# Altium PCB Wireframe.PcbDoc (part 2 of 2)
Units mil, origin at the board's own origin, x right, y up, seen from the top; angles counter-clockwise.
Board outline 1950 x 980 mil, 4 copper layers (Top Layer, power, GND, Bottom Layer), stack 65.6 mil thick; 103 components, 106 nets, 512 pads, 260 vias.
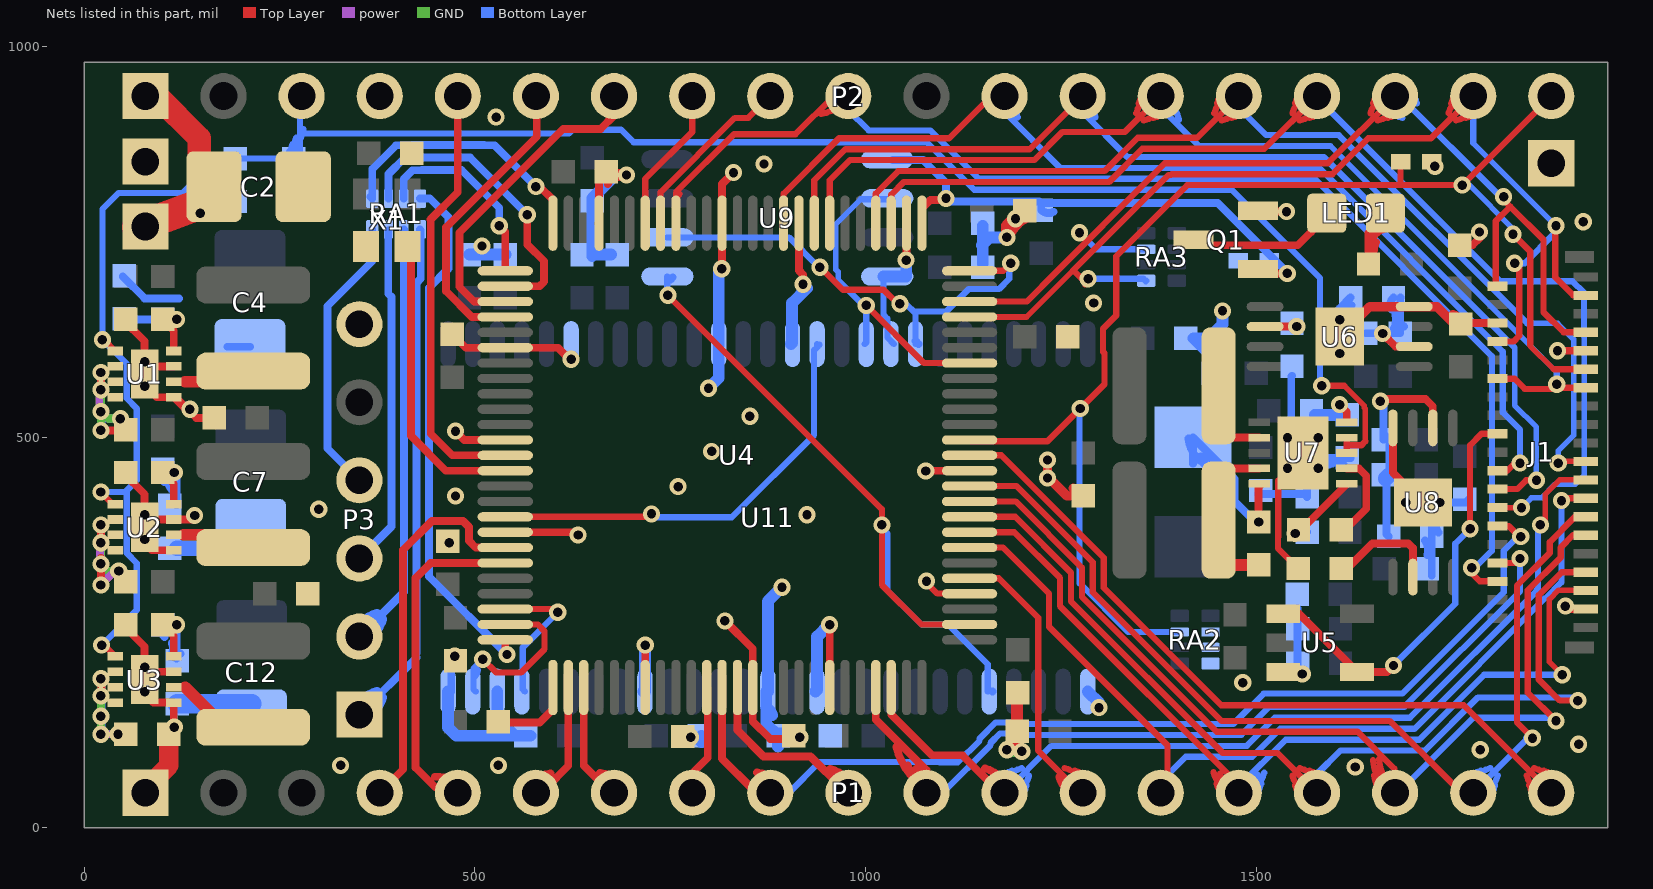
[diagram p4: the nets of this part, all layers, seen from the top]

## Via types
v1: diameter 22, hole 12, Top Layer to Bottom Layer, tented both sides, 246 vias
v2: diameter 22, hole 12, Top Layer to Bottom Layer, 14 vias

## Nets (pads, with @x,y where several pads share a name; then routed paths per layer and width w, separated by ;. In a path a pad name is that pad's centre, name@x,y a point inside that pad or via, vN(x,y) a via of type N, cw(c..) or ccw(c..) an arc to the next point about the centre after c; other vN are vias at no path point) (continued)
DDR_D14: U4.98 U11.51 | length 190.3
  Top Layer w8: U4.98@538.76,280.15 601.85,280.15 v1(606,276)
  Bottom Layer w8: U11.51@564.04,174.56 561,177.6 561,231 v1(606,276)
DDR_D15: U4.99 U11.53 | length 233.9
  Top Layer w8: v1(510,216) 527,199 559,199 589,229 589,252 580.54,260.46 U4.99@538.76,260.46
  Bottom Layer w8: U11.53@498.36,192.53 ccw(c489.82,203.7) 503.76,201.84 ; U11.53@501.05,174.56 498,177.61 498,204 v1(510,216)
DDR_W\E\: U4.92 U11.16 | length 561.3
  Top Layer w8: U4.92@538.76,398.26 724.86,398.26 v1@725.27,397.85
  Bottom Layer w8: v1@725.27,397.85 828.85,397.85 934,503 934,611.45 U11.16@937.99,615.44 ; U11.16@937.99,619.44 U11.16@937.99,615.44 ; U11.16@941,618.45 U11.16@937.99,615.44
  other v1: 726,402
DONE: Q1.1 R24.1 R26.1 U4.51 U9.1 | length 700
  Top Layer w10: U4.51@1072.22,774.24 1072.22,793.22 1083,804 1102,804 1103,805 v1(1103,806) ; Q1.1@1501.74,710 v1(1540,710)
  Bottom Layer w10: U9.1@1034.75,855 1074,855 1103,826 1103,803 1104,802 1222,802 1225,799 R24.1@1225,797 ; 1240.71,788.92 cw(c1234.21,800.17) R24.1@1225,791 R24.1@1225,797 ; v1(1540,710) 1540,711 1450.91,800.09 1228.09,800.09 R24.1@1225,797
EXT_CLK: P1.19 U4.38 | length 1106.2
  Top Layer w8: U4.38@1133.24,477 1173.8,477 1305,345.8 1305,307.4 1455.4,157 1766,157 P1.19@1878,45 ; 1846.57,67.04 ccw(c1884.6,77.24) P1.19@1876.7,38.66 ; 1849.92,54.54 ccw(c1881.7,63.05) P1.19@1875.1,30.82 ; 1855.96,76.43 cw(c1845.76,38.4) P1.19@1884.34,46.3 ; 1868.46,73.08 cw(c1859.95,41.3) P1.19@1892.18,47.9
FPGA_CLK: U4.89 X1.3 | length 388.2
  Top Layer w10: X1.3@418,750.96 418,502 462.68,457.31 U4.89@538.76,457.31
FPGA_TCK: RA1.2 U4.77 | length 394.9
  Top Layer w10: U4.77@538.76,693.54 582.54,693.54 588.46,699.46 588.46,725.54 567,747 v1(567,785)
  Bottom Layer w10: RA1.2@389.16,805.69 389.16,837.16 410,858 425.53,858 425.66,858.13 493.87,858.13 v1(567,785)
FPGA_TDI: RA1.4 U4.100 | length 678.1
  Top Layer w10: U4.100@538.76,240.78 538.76,224.24 v1(541,222)
  Bottom Layer w10: RA1.4@429.51,805.69 429.83,806 442,806 466.09,781.91 466.09,716.22 441,691.13 441,322 v1(541,222)
FPGA_TDO: RA1.3 U4.76 | length 255.9
  Top Layer w10: v1(531,771) 538.76,763.24 U4.76@538.76,713.22
  Bottom Layer w10: RA1.3@408.84,805.69 408.84,830.84 420,842 432.15,842 432.29,842.13 482.87,842.13 531,794 v1(531,771)
FPGA_TMS: RA1.1 U4.75 | length 344.2
  Top Layer w10: v1(578,821) 583,821 599.78,804.22 U4.75@599.78,774.24
  Bottom Layer w10: RA1.1@366,808.17 RA1.1@368.49,805.69 368.49,843.49 399,874 418.9,874 419.03,874.13 511.95,874.13 512.09,874 525,874 v1(578,821)
GND: C1.1 C2.2 C3.1 C4.2 C6.1 C7.2 C8.1 C11.1 C12.2 C13.1 C14.1 C16.1 C18.1 C20.2 C21.1 C22.1 C23.1 C24.1 C25.1 C26.1 C27.1 C28.1 C29.1 C30.1 C31.1 C33.1 C34.1 C35.1 C36.1 C37.1 C38.1 C39.1 C40.1 C41.1 C42.1 C43.1 C44.1 C45.1 C46.1 C47.1 C48.1 C49.1 C50.1 J1.3 J1.31 J1.34 P1.1 P2.4 P3.6 P5.1 P6.1 Q1.2 R3.2 R5.1 R8.1 R10.2 R12.1 R14.1 R17.2 R26.2 RA2.2 RA2.3 RA2.4 U1.1 U1.3 U1.9 U2.1 U2.3 U2.9 U3.1 U3.3 U3.9 U4.7 U4.14 U4.19 U4.29 U4.37 U4.52 U4.59 U4.64 U4.72 U4.81 U4.87 U4.93 U6.4 U6.9 U7.11 U8.4 U8.9 U9.4 U11.6 U11.12 U11.15 U11.19 U11.28 U11.39 U11.41 U11.46 U11.52 U11.54 X1.2 | length 5618.2
  Top Layer w8: v1@919,697 v1@925,691 ; v1@1075,317 1092,300 U4.29@1133.08,300 ; C20.2@1553.93,332.16 1528,358.09 1528,372.23 1528.32,372.54 1528.32,444.69 U7.11@1560.32,476.69
  Top Layer w10: C6.1@49,260 77,232 v2(77,205.75) U3.9@77,199.84 ; C1.1@49,455 77,427 v2(77,400.75) U2.9@77,394.84 ; C3.1@49,651 77,623 v2(77,596.75) U1.9@77,581 ; U3.9@77,171.94 88.47,160.47 U3.1@114.4,160.47 C11.1@114.4,126.4 ; U1.9@77,566.94 92.47,551.47 U1.1@114.4,551.47 ; U3.9@82.91,199.84 U3.3@114.4,199.84 ; U1.9@86.84,590.84 U1.3@114.4,590.84 ; U2.1@114.4,355.47 86.53,355.47 77,365 U2.9@77,385 U2.9@77,394.84 ; v1@128.87,537 U1.1@114.4,551.47 ; v1@136.84,394.84 U2.3@114.4,394.84 U2.9@77,394.84 ; C8.1@166,525 143,525 116.53,551.47 U1.1@114.4,551.47 ; C35.1@465,367 v1(467,365) ; C28.1@471,632 488.2,614.8 U4.81@538.76,614.8 606.2,614.8 v1@621,600 ; C29.1@474,221 475,220 C29.1@475,214 ; v1(475,508) 486.32,496.69 U4.87@538.76,496.69 ; U4.93@538.76,378.57 628.43,378.57 v1(632,375) ; U4.72@658,773.41 U4.72@658.83,774.24 658.83,830.83 C36.1@668,840 cw(c658.72,830.78) 670.05,824.23 ; U4.7@717.89,179.76 v1@717.89,231.89 ; v1(816,716) 816.32,716.31 U4.64@816.32,774.24 816.32,824.31 v1(831,839) ; v1(820,265) 855.68,229.31 U4.14@855.68,179.76 855.68,136.31 878,114 904,114 C30.1@908,118 ; U4.59@914.74,774.24 914.74,713.59 920,708.33 920,703.72 919,702.72 v1@919,697 ; v1(954,260) 954,259 958,255 954.11,258.89 U4.19@954.11,179.76 ; v1(1052,727) 1052,729.93 1052.07,730 1052.54,729.54 U4.52@1052.54,774.24 ; v1(1077,457) 1077.32,457.31 U4.37@1133.24,457.31 ; U4.29@1133.08,300 U4.29@1133.24,299.83 ; Q1.2@1502.34,790.4 1503.74,789 v1(1539,789) ; U6.9@1606.93,617.81 U6.9@1610.56,621.44 ; U8.4@1675.16,512.1 1675.16,455.02 U8.9@1713.54,416.63 ; C49.1@1761,746 1777,746 1786,755 v1(1786,763) ; C21.1@1761.93,645.16 1763.13,646.35 J1.34@1810.88,646.35 ; v1(1886,611) 1921.99,611 J1.31@1922.07,610.92 ; v1(1896,284) 1896,281 1897,280 1897.21,280.21 J1.3@1922.07,280.21 ; U8.9@1688.63,420.21 ccw(c1680.82,428.79) U8.9@1692.41,428.25 ; U8.9@1688.63,420.21 ccw(c1680.82,428.79) U8.9@1692.41,428.25 ; U8.9@1688.63,420.21 ccw(c1680.82,428.79) U8.9@1692.41,428.25 ; U8.9@1692.42,428.37 ccw(c1704.19,427.82) U8.9@1695.47,419.89 ; U8.9@1692.42,428.37 ccw(c1704.19,427.82) U8.9@1695.47,419.89 ; U8.9@1692.42,428.37 ccw(c1704.19,427.82) U8.9@1695.47,419.89
  Top Layer w12: v1(1233,471) 1233,450 1258,425 C14.1@1279,425 ; C14.1@1266.09,434.89 cw(c1264.08,412.54) C14.1@1281.3,426.92 ; U6.9@1607,625 U6.9@1609,627 ; U6.9@1607,629 1645.39,667.39 U6.4@1702.47,667.39 1731.61,667.39 1753.84,645.16 C21.1@1761.93,645.16 ; U6.9@1610.05,648.32 cw(c1627.5,635.01) U6.9@1624.58,656.76 ; C21.1@1752.14,656.78 cw(c1747.09,637.95) C21.1@1764.63,646.47
  Top Layer w15: C36.1@668,836 C36.1@668,840 672,836 v1(694,836) ; C39.1@766,117 775,117 v1(776,116) ; C30.1@908,118 910,116 v1(916,116) ; v1(1181,756) 1181,771 C42.1@1192,782 ; v1@1181.98,756.22 cw(c1227.08,739.36) C42.1@1207.11,783.18 ; C42.1@1192.59,781.38 ccw(c1197.79,793.46) C42.1@1203.36,781.55 ; C42.1@1192.71,781.32 ccw(c1198.43,792.05) C42.1@1204.99,781.82 ; C40.1@1195,173 1194,172 C46.1@1194,124 1194,104 v1(1200,98)
  Top Layer w25: P1.1@73,45 108,80 C11.1@108,120
  GND w15: v1(1181,100) 1183,98 v1(1200,98)
  Bottom Layer w8: U9.4@1023,706 1023,657 1028,652 1028,627.92 U11.19@1036.48,619.44
  Bottom Layer w10: R14.1@49,706 77,678 121,678 ; v1@114.4,129 R8.1@114.4,160.47 ; C4.2@183.09,615.91 C4.2@212,615.91 ; U11.54@469.55,174.56 469.55,216.55 v1@474,221 ; C22.1@1503.32,427.69 C23.1@1565.32,427.69 ; C16.1@1546,579 1545,578 1545,500.74 v2@1540.63,496.37 ; C23.1@1565.32,423.69 C23.1@1565.32,427.69 ; v2@1580.32,496.37 v2@1580,496.37 ; v2@1580.75,465.04 ccw(c1586.85,492.02) 1601.62,468.63 ; 1593.02,466.1 ccw(c1586.93,488.83) R12.1@1608.03,478.42 ; 1597.36,467.27 cw(c1602.35,448.63) R12.1@1612,465.34 ; v2@1600.82,654.4 cw(c1626.87,639.36) R10.2@1622.46,669.11 ; v2@1607,603.35 v2(1607,607.35) v2(1607,650.65) 1607,665 R10.2@1621,679 ; R12.1@1621.32,473.69 1580,473.69 ; v2(1691.89,416.63) v2(1735.2,416.63) 1724.93,406.36 R17.2@1724.93,373.16 C24.1@1724.93,323.16 ; 1730.38,400.49 ccw(c1758.07,393.08) R17.2@1733.5,378.31 ; v2@1741.2,416.63 1768.63,416.63 C25.1@1773,421 ; v2@1540.63,496.37 v2@1580,496.37 ; v2@1540.63,496.37 1540.63,457 1565.32,457 ; C23.1@1565.32,427.69 1565.32,457 ; 1565.32,457 1580,457 1580,473.69 ; 1580,473.69 v2@1580,496.37 ; R17.2@1716.49,367.8 cw(c1696.97,355.42) 1719.3,349.43 ; R17.2@1716.49,367.8 cw(c1696.97,355.42) 1719.3,349.43 ; R17.2@1716.49,367.8 cw(c1696.97,355.42) 1719.3,349.43
  Bottom Layer w15: U11.54@465.55,174.56 465.55,128.45 476,118 C48.1@551,118 ; C34.1@493,734 C26.1@539,734 ; U11.52@528.54,174.56 528.54,140.46 C48.1@551,118 ; C48.1@571,118 C48.1@565,118 C48.1@551,118 ; C31.1@674,734 652,734 650,732 650,806 680,836 v1(694,836) ; U11.46@715.52,174.56 U11.46@717.52,176.56 ; U11.46@717.52,174.56 U11.46@717.52,176.56 ; v1@718,236 v1(718,234) 717.52,233.52 U11.46@717.52,176.56 ; C47.1@790,110 C47.1@790,118 ; v1(799,563) 812.01,576.01 U11.12@812.01,619.44 812.01,716 v1(816,716) ; U11.41@873,174.56 873,133 C27.1@888,118 C27.1@888,104 ; U11.41@875,174.56 875,290 v1(893,308) ; C27.1@891,121 C27.1@894,118 ; U11.15@904.5,619.44 906,620.94 906,672 v1@925,691 ; U11.39@935.99,174.56 938,176.57 938,245 953,260 v1(954,260) ; U9.4@1023,706 1052,706 v1(1052,727) ; 1149,746 1150,747 ; C44.1@1150,722 1150,747 ; C45.1@1150,771 1150,747 ; v1@1180,99 1181,98 v1(1200,98) ; v1(1181,756) 1159,756 1150,747 ; U11.28@1284.45,174.56 1299,160 v1(1299,154) ; C18.1@1444,576 1444,603 1420,627 1439,627 1457,645 v1(1457,662) ; U11.41@873.83,152.85 cw(c866.59,140.31) 880.57,144.06 ; U11.41@873.83,152.85 cw(c866.59,140.31) 880.57,144.06 ; U11.41@873.83,152.85 cw(c866.59,140.31) 880.57,144.06
  Bottom Layer w20: R5.1@118,358 C7.2@213,358
  Bottom Layer w25: R8.1@119,159 C12.2@214,159
  other v1: 1627,78 328,80 530,80 1787,100 1913,107 115,129 1483,186 474,220 1078,316 141,400 925,401 300,408 475,425 760,437 1233,448 803,482 852,527 135,536 623,600 1292,672 920,696 509,745 1919,776 1192,780 1729,847 870,850 527,910
  other v2: 77,174.25 77,369.25 1540.31,460.31 1579.68,460.31 1540.31,499.69 1579.68,499.69 77,565.25
IO_1: P1.4 U4.94 | length 493.9
  Top Layer w10: P1.4@378,45 408,75 408,81 408,356 445,393 484.56,393 492.32,385.23 492.32,367.68 501.11,358.89 U4.94@538.76,358.89
IO_2: P1.5 U4.95 | length 473.3
  Top Layer w10: 448.84,65.39 cw(c452.85,31.7) P1.5@482.84,47.56 ; P1.5@478,51 479,52 449,52 424,77 424,320 443,339 499.59,339 499.8,339.2 U4.95@538.76,339.2
IO_3: P1.6 U4.2 | length 187.7
  Top Layer w10: P1.6@566.6,55.46 cw(c598.68,26.03) 596.81,69.52 ; P1.6@578,51 591,51 619.46,79.46 U4.2@619.46,179.76
IO_4: P1.7 U4.3 | length 184.9
  Top Layer w10: U4.3@639.15,179.76 639.15,79.85 668,51 P1.7@678,51 ; 660.12,70.21 cw(c656.63,26.81) P1.7@689.78,55.03
IO_5: P1.8 U4.11 | length 137.6
  Top Layer w10: P1.8@778,51 778,70 798,90 798,178.39 U4.11@796.63,179.76
IO_6: J1.12 P1.9 U4.12 | length 1370
  Top Layer w8: J1.12@1808.88,386.51 1823.49,386.51 1837,373 v1(1839,373)
  Top Layer w10: U4.12@816.32,179.76 816.32,88.69 854,51 P1.9@878,51 ; 861.13,70.89 cw(c855.93,27.67) P1.9@890.17,54.55
  Bottom Layer w8: P1.9@878,45 902,45 941.53,84.53 1094.37,84.53 1094.9,84 1118.2,84 1146,111.8 1146,114.5 1166.5,135 1195.5,135 1197.5,133 1471,133 1510,172 1687.2,172 1817,301.8 1817,355 1835,373 v1(1839,373)
IO_7: P1.10 U4.13 | length 270.6
  Top Layer w10: U4.13@836,179.76 836,125 869.47,91.53 929.47,91.53 970,51 P1.10@978,51 ; 954.74,75.76 cw(c944.39,37.13) P1.10@983.33,46.25
IO_8: J1.8 P1.11 U4.22 | length 1238.2
  Top Layer w8: J1.8@1808.88,339.27 1830.47,339.27 1838,346.8 v1(1838,345)
  Top Layer w10: U4.22@1013.17,179.76 1013.17,138.83 1078,74 P1.11@1078,51 ; 1039.49,103.87 ccw(c1123.93,123.92) P1.11@1080.28,48.91 ; 1054.17,79.7 ccw(c1099.75,91.92) P1.11@1079.9,49.11 ; 1065.2,75.86 ccw(c1088.33,82.06) P1.11@1081.9,58.99
  Bottom Layer w8: P1.11@1078,45 1099,45 1160,106 1160,108.7 1172.3,121 1189.7,121 1191.7,119 1481,119 1517,155 1690,155 1838,303 v1(1838,345)
IO_9: J1.17 P1.12 U4.23 | length 1407
  Top Layer w7: v1(1864,388) 1870.5,394.5 1870.5,427.49 1888.58,445.57 J1.17@1919,445.57
  Top Layer w8: J1.17@1919,445.57 J1.17@1922.07,445.57
  Top Layer w10: U4.23@1032.85,179.76 1032.85,145.15 1085,93 1124,93 1166,51 P1.12@1178,51 ; 1152.92,76.25 cw(c1141.72,34.48) P1.12@1183.26,46.52
  Bottom Layer w8: P1.12@1163.82,47.9 cw(c1196.05,41.3) 1187.54,73.08 ; P1.12@1171.66,46.3 cw(c1210.24,38.4) 1200.04,76.43 ; P1.12@1178,45 1238,105 1488,105 1524,141 1697,141 1861,305 1861,391 v1(1864,388) ; P1.12@1179.3,38.66 ccw(c1171.4,77.24) 1209.43,67.04 ; P1.12@1180.9,30.82 ccw(c1174.3,63.05) 1206.08,54.54 ; 1858.82,302.62 ccw(c1852,304.2) 1858.87,302.87 ccw(c1852,304.2) 1859,304.2
IO_10: P1.13 U4.30 | length 497.2
  Top Layer w8: U4.30@1133.24,319.52 1170.48,319.52 1221,269 1221,99 1260,60 1287,60 P1.13@1278,51 ; 1246.92,65.73 ccw(c1282.88,75.37) P1.13@1276.97,38.61 ; 1254.64,76.79 cw(c1243.87,36.58) P1.13@1284.28,46.55 ; 1267.73,73.28 cw(c1258.88,40.28) P1.13@1292.05,48.47
IO_11: J1.15 P1.14 U4.32 | length 1239.1
  Top Layer w8: U4.32@1133.24,358.89 1176.11,358.89 1235,300 1235,257.2 1386.6,105.6 1386.6,53.6 P1.14@1378,45 ; P1.14@1369,45 P1.14@1369,66 ; v1(1891,419) 1891,420.89 1892.06,421.94 J1.15@1922.07,421.94
  Bottom Layer w8: P1.14@1378,45 1378,59 1410,91 1495,91 1531,127 1703,127 1870.5,294.5 ; 1870.69,294.31 1891,314.61 v1(1891,419)
IO_12: J1.5 P1.15 U4.33 | length 1399.2
  Top Layer w7: v1(1892,196) 1875.5,212.5 1875.5,292.49 1887.51,304.5 1921.41,304.5 J1.5@1922.07,303.83
  Top Layer w8: U4.33@1133.24,378.57 1190.43,378.57 1249,320 1249,284 1478,55 P1.15@1478,45 ; 1445.39,71.42 ccw(c1491.05,83.65) P1.15@1475.93,38.87 ; 1449.26,56.99 ccw(c1485.31,66.65) P1.15@1473.37,31.29 ; 1453.97,69.28 ccw(c1484.45,77.45) P1.15@1478.3,46.5
  Bottom Layer w8: P1.15@1477.75,46.51 ccw(c1472.93,75.95) 1501.75,68.23 ; P1.15@1479.93,38.82 ccw(c1466.33,82.35) 1510.37,70.54 ; P1.15@1482.32,31.19 ccw(c1471.46,65.92) 1506.61,56.5 ; P1.15@1494,45 P1.15@1478,45 1478,53 1538,113 1709,113 1792,196 v1@1894,196
IO_13: J1.7 P1.16 U4.34 | length 1416.5
  Top Layer w8: U4.34@1133.24,398.26 1191.74,398.26 1263,327 1263,290 1457,96 1527,96 P1.16@1578,45 ; 1546.57,67.04 ccw(c1584.6,77.24) P1.16@1576.7,38.66 ; 1549.92,54.54 ccw(c1581.7,63.05) P1.16@1575.1,30.82 ; 1555.96,76.43 cw(c1545.76,38.4) P1.16@1584.34,46.3 ; 1568.46,73.08 cw(c1559.95,41.3) P1.16@1592.18,47.9 ; v1(1912,163) 1889,163 1862,190 1862,298.08 1891.37,327.46 J1.7@1922.07,327.46
  Bottom Layer w8: P1.16@1578,45 1578,69 1608,99 1716,99 1784,167 v1@1910,167 ; v1@1908,167 v1(1912,163)
IO_14: J1.11 P1.17 U4.35 | length 1453.6
  Top Layer w8: U4.35@1133.24,417.94 1192.06,417.94 1277,333 1277,295.8 1449.8,123 1630,123 1677.13,75.87 P1.17@1677.13,45.87 ; 1649.88,86.77 ccw(c1718.21,92.31) 1673.81,40.07 cw(c1701.12,72.2) 1659.09,68.8 ; 1651.44,67.52 ccw(c1700.52,71.5) P1.17@1668.63,33.97 ; 1657.53,88.05 ccw(c1718.82,93.02) P1.17@1678.99,46.16 ; v1(1884,137) 1848,173 1848,304.2 1890,346.2 1890,359 1905.7,374.7 J1.11@1922.07,374.7
  Bottom Layer w8: P1.17@1678,45 1681.8,45 1777.8,141 v1@1882,141 ; v1@1880,141 v1(1884,137)
IO_15: J1.13 P1.18 U4.36 | length 1433
  Top Layer w8: U4.36@1133.24,437.63 1193.37,437.63 1291,340 1291,301.6 1455.6,137 1671,137 1763,45 P1.18@1778,45 ; v1(1854,115) 1834,135 1834,310 1876,352 1876,366 1908.32,398.32 J1.13@1922.07,398.32
  Bottom Layer w8: P1.18@1763.82,47.9 cw(c1796.05,41.3) 1787.54,73.08 ; P1.18@1771.66,46.3 cw(c1810.24,38.4) 1800.04,76.43 ; P1.18@1778,45 v1@1848,115 ; P1.18@1779.3,38.66 ccw(c1771.4,77.24) 1809.43,67.04 ; P1.18@1780.9,30.82 ccw(c1774.3,63.05) 1806.08,54.54 ; v1@1846,115 v1(1854,115)
IO_16: J1.32 J1.37 P2.18 RA3.5 U4.47 | length 1542.3
  Top Layer w7: 1206.17,654.17 1266,714
  Top Layer w8: U4.47@1133.24,654.17 1206.17,654.17 ; v1@1281,696 1281,699 1266,714 1388,836 1391.2,836 1392.2,837 1597.8,837 1643.8,883 1724,883 P2.18@1778,937 ; 1746.57,914.96 cw(c1784.6,904.76) P2.18@1776.7,943.34 ; 1749.92,927.46 cw(c1781.7,918.95) P2.18@1775.1,951.18 ; 1755.96,905.57 ccw(c1745.76,943.6) P2.18@1784.34,935.7 ; 1768.46,908.92 ccw(c1759.95,940.7) P2.18@1792.18,934.1 ; J1.32@1808.88,622.73 1829.73,622.73 1837,630 1837,717 v1(1831,723) ; v1@1883,762 1883,705 1906.21,681.79 J1.37@1922.07,681.79
  Bottom Layer w7: 1778,877 v1@1883,772
  Bottom Layer w8: v1(1285,703) 1355.83,703 1358.83,700 RA3.5@1359.32,700.49 ; P2.18@1776,919 P2.18@1778,917 ; 1778,877 P2.18@1778,917 ; P2.18@1778,937 P2.18@1778,917 ; v1(1831,723) 1844,723 v1@1882,761 ; v1@1883,762 v1@1883,772
  other v1: 1884,771
IO_17: J1.33 J1.38 P2.17 RA3.7 U4.48 | length 1533.2
  Top Layer w8: U4.48@1133.24,673.85 1206.55,673.85 1226,693.3 1226,693.8 1383.2,851 1592,851 P2.17@1678,937 ; v1(1274,762) 1274,761 1283,752 ; 1646.57,914.96 cw(c1684.6,904.76) P2.17@1676.7,943.34 ; 1649.92,927.46 cw(c1681.7,918.95) P2.17@1675.1,951.18 ; 1655.96,905.57 ccw(c1645.76,943.6) P2.17@1684.34,935.7 ; 1668.46,908.92 ccw(c1659.95,940.7) P2.17@1692.18,934.1 ; J1.38@1808.88,693.6 1807,695.48 1807,777 1825.5,795.5 ; v1(1817,808) 1817,804 1825.5,795.5 ; J1.33@1922.07,634.54 1893.76,634.54 1868,660.3 1868,753 1825.5,795.5
  Bottom Layer w8: v1(1274,762) 1295.16,740.84 RA3.7@1359.32,740.84 ; P2.17@1663.82,934.1 ccw(c1696.05,940.7) 1687.54,908.92 ; P2.17@1679,941 1679.88,937.47 1680,937 1684,937 1813,808 v1(1817,808) ; P2.17@1680.9,951.18 cw(c1674.3,918.95) 1706.08,927.46
IO_18: J1.29 P2.19 R3.1 RA2.7 U4.39 | length 1756
  Top Layer w7: 1851,618 1851,617.01 1880.71,587.3 1881.7,587.3
  Top Layer w8: U4.39@1133.24,496.69 1134.93,495 1233,495 v1(1275,537) 1306,568 1306,607.7 1304,609.7 1304,639 1321,656 1321,732 1412,823 1683,823 ; R3.1@1685,853 1685,825 1683,823 ; v1(1829,760) 1851,738 1851,618 ; P2.19@1878,937 v1(1764,823) 1683,823 ; 1881.7,587.3 J1.29@1922.07,587.3
  Bottom Layer w7: v1@1771,823 1772.99,823 1829,766.99 v1@1829,765
  Bottom Layer w8: v1@1274,536 1274,313 1336.16,250.84 RA2.7@1402.32,250.84 ; v1(1764,823) v1@1771,823 ; v1(1829,760) v1@1829,765
IO_20: J1.14 P2.16 U4.53 | length 1603.8
  Top Layer w7: J1.14@1808.88,410.13 v1(1839.87,410.13)
  Top Layer w8: U4.53@1032.85,774.24 1032.85,810.85 1049,827 1311.8,827 1354.27,869.47 1510.47,869.47 P2.16@1578,937 ; 1546.57,914.96 cw(c1584.6,904.76) P2.16@1576.7,943.34 ; 1549.92,927.46 cw(c1581.7,918.95) P2.16@1575.1,951.18 ; 1555.96,905.57 ccw(c1545.76,943.6) P2.16@1584.34,935.7 ; 1568.46,908.92 ccw(c1559.95,940.7) P2.16@1592.18,934.1
  Bottom Layer w7: v1(1839.87,410.13) 1852.37,422.64 1865.65,422.64 1883.01,440 1909,440 1920,451 1920,629
  Bottom Layer w8: P2.16@1578,937 1578,934.8 1812.8,700 1905,700 1920,685 1920,629
IO_21: J1.19 P2.15 U4.54 | length 1477.3
  Top Layer w7: v1@1892.19,469.19 J1.19@1922.07,469.19
  Top Layer w8: U4.54@1013.17,774.24 1013.17,812.17 1042,841 1306,841 1348.47,883.47 1424.47,883.47 P2.15@1478,937 ; 1446.57,914.96 cw(c1484.6,904.76) P2.15@1476.7,943.34 ; 1449.92,927.46 cw(c1481.7,918.95) P2.15@1475.1,951.18 ; 1455.96,905.57 ccw(c1445.76,943.6) P2.15@1484.34,935.7 ; 1468.46,908.92 ccw(c1459.95,940.7) P2.15@1492.18,934.1
  Bottom Layer w7: 1847,646 1886,646 1906.5,625.5 1906.5,502.5 1887,483 v1(1887,467)
  Bottom Layer w8: P2.15@1478,937 1478,922 1513,887 1606,887 1847,646
IO_22: J1.27 J1.28 P2.14 U4.57 | length 1530.2
  Top Layer w8: U4.57@954.11,768.24 954.11,829.11 980,855 1216.03,855 1252.03,891 1332,891 P2.14@1378,937 ; 1346.57,914.96 cw(c1384.6,904.76) P2.14@1376.7,943.34 ; 1349.92,927.46 cw(c1381.7,918.95) P2.14@1375.1,951.18 ; 1355.96,905.57 ccw(c1345.76,943.6) P2.14@1384.34,935.7 ; 1368.46,908.92 ccw(c1359.95,940.7) P2.14@1392.18,934.1 ; J1.28@1808.88,575.49 1809.37,575 1831,575 1844,562 1884.32,562 v1@1886,563.68 ; v1(1885,568) 1886,567 v1@1886,563.68 ; J1.27@1922.07,563.68 v1@1886,563.68
  Bottom Layer w7: 1595,873 1885,583
  Bottom Layer w8: P2.14@1377.43,935.58 cw(c1362.54,898.92) 1401.34,906.7 ; P2.14@1378,937 1378,922 1427,873 1595,873 ; v1(1885,568) 1885,583
IO_23: J1.16 P2.13 U4.58 | length 1411
  Top Layer w8: U4.58@934.43,768.24 934.43,829.22 974.2,869 1210,869 P2.13@1278,937 ; J1.16@1808.88,433.76 1834.45,433.76 1845.7,445 v1(1859,445)
  Bottom Layer w7: 1831,614.6 1831,541 1859,513 v1(1859,445)
  Bottom Layer w8: P2.13@1275.95,927.7 cw(c1270.71,903.9) 1294.33,909.86 ; P2.13@1278,937 1278,916 1335,859 1586.6,859 1831,614.6
IO_24: J1.18 P2.12 U4.60 | length 1386.4
  Top Layer w8: U4.60@895.06,768.24 895.06,812.06 966,883 1107,883 1161,937 P2.12@1178,937 ; J1.18@1808.88,457.38 1821.38,457.38 1838,474 v1(1838,467)
  Bottom Layer w8: P2.12@1176.04,927.68 cw(c1170.95,903.54) 1194.78,909.92 ; P2.12@1178,937 1178,916 1249,845 1580.8,845 1816,609.8 1816,532 1838,510 v1(1838,467)
IO_26: J1.6 P2.10 U4.67 | length 1661.1
  Top Layer w8: U4.67@756.31,805.42 ccw(c750.86,814.85) 761.38,812.03 ; U4.67@757.26,768.24 757.26,813.66 831.6,888 910.2,888 959.2,937 P2.10@978,937 ; 943.17,913.91 ccw(c935.25,960.49) P2.10@976.66,937.74 ; v1(1776,333) 1776,326 1786.35,315.65 J1.6@1800.88,315.65
  Bottom Layer w8: P2.10@978,937 978,919 1004,893 1083,893 1145,831 1575,831 1802,604 1802,355 1780,333 v1(1776,333)
IO_27: P2.9 U4.68 | length 237
  Top Layer w8: U4.68@737.57,768.24 737.57,813.78 832.8,909 850,909 P2.9@878,937
IO_28: P2.8 U4.69 | length 193.7
  Top Layer w8: U4.69@717.89,768.24 U4.69@717.89,774.24 717.89,830.89 778,891 P2.8@778,937
IO_29: P2.7 U4.78 | length 421
  Top Layer w10: U4.78@538.91,674 U4.78@538.76,673.85 499.15,673.85 480,693 480,762 613,895 661,895 678,912 P2.7@678,937
IO_30: P2.6 U4.79 | length 387.8
  Top Layer w10: U4.79@538.76,654.17 495.83,654.17 463,687 463,769 579,885 579,936 P2.6@578,937
IO_31: P2.5 U4.88 | length 553.8
  Top Layer w10: P2.5@478,937 478,814 443.04,779.04 443.31,778.78 443.31,504.69 471,477 U4.88@538.76,477
NetC5_1: C5.1 R1.1 R14.2 U1.4 | length 133.4
  Top Layer w10: U1.4@114.4,610.53 114.4,636.6 C5.1@100,651 v1(118,651)
  Bottom Layer w10: R14.2@49,651 R1.1@100,651 v1(118,651)
NetC9_2: C9.2 R2.1 R10.1 U6.2 | length 268.2
  Top Layer w10: v1(1662,633) 1661.93,632.93 1678.65,616.2 U6.2@1702.47,616.2
  Bottom Layer w10: R2.1@1640.54,633.28 v1@1661.93,633.28 ; v1@1661.93,633 v1@1661.93,633.28 ; 1673.68,663.7 cw(c1684.42,669.9) R10.1@1676,679 ; R10.1@1685,679 1684.54,678.54 C9.2@1684.54,633.28 v1@1661.93,633.28 ; C9.2@1675.88,638.28 ccw(c1654.25,650.77) 1678.38,657.24 ; C9.2@1675.88,638.28 ccw(c1654.25,650.77) 1678.38,657.24 ; C9.2@1675.88,638.28 ccw(c1654.25,650.77) 1678.38,657.24 ; 1678.69,656.09 ccw(c1701.2,662.13) C9.2@1689.54,641.94 ; 1678.69,656.09 ccw(c1701.2,662.13) C9.2@1689.54,641.94 ; 1678.69,656.09 ccw(c1701.2,662.13) C9.2@1689.54,641.94
NetC10_1: C10.1 R4.1 R5.2 U2.4 | length 192.4
  Top Layer w10: C10.1@100,455 v1(115,455) ; C10.1@107.5,447.5 114.4,440.6 U2.4@114.4,414.53
  Bottom Layer w10: R4.1@100,455 v1(115,455) ; R4.1@100,459 ccw(c112.23,452.44) 102.26,442.78 ; R4.1@108.81,454.27 ccw(c124.88,445.65) 111.78,432.96 ; R4.1@109.96,458.25 ccw(c117.68,453.27) R4.1@111.69,446.3 ; R5.2@118,413 v1@118,455 ; R4.1@107.71,464.7 cw(c97.93,455.98) R4.1@111.01,455.23 ; R4.1@107.71,464.7 cw(c97.93,455.98) R4.1@111.01,455.23 ; R4.1@107.71,464.7 cw(c97.93,455.98) R4.1@111.01,455.23
NetC15_1: C15.1 R7.1 R8.2 U3.4 | length 224.5
  Top Layer w10: U3.4@114.4,219.53 114.4,245.6 C15.1@100,260 v1(118,260)
  Bottom Layer w10: 102.54,244.42 cw(c111.34,253.85) R7.1@100,260 v1(118,260) R8.2@118,217 ; R8.2@110.34,219 ccw(c92.76,229.15) 112.37,234.41 ; 111.76,236.67 ccw(c132,242.09) R8.2@123.2,223.08 ; R7.1@109.96,251.88 cw(c120.16,255.63) v1@115.34,265.38 ; R7.1@109.96,251.88 cw(c120.16,255.63) v1@115.34,265.38 ; R7.1@109.96,251.88 cw(c120.16,255.63) v1@115.34,265.38
NetC16_2: C16.2 U6.6 | length 40.6
  Top Layer w10: U6.6@1511.53,641.8 1551.8,641.8 v1(1552,642)
NetC17_1: C17.1 D1.K U7.5 | length 332.8
  Top Layer w10: v1(1503.32,391.69) 1503.32,437.31 U7.5@1504.21,437.31
  Bottom Layer w10: D1.K@1413.59,498.45 ccw(c1455.95,502.38) D1.K@1444.94,461.3 ; D1.K@1419.32,466.13 D1.K@1419.32,499.9 1472.32,446.9 1472.32,418.13 1498.76,391.69 v1(1503.32,391.69) ; D1.K@1429.16,475.53 cw(c1429.16,440.45) 1453.96,465.25 ccw(c1429.16,440.45) D1.K@1429.16,475.53
NetC19_2: C19.2 R16.1 R17.1 U8.2 | length 299
  Top Layer w10: v1@1657,546 1659,548 1660.28,549.28 1716.8,549.28 1726.34,539.75 U8.2@1726.34,512.1
  Bottom Layer w10: v1(1659.23,546.28) 1660.72,546.28 1661,546 1663,544 R16.1@1663,505.09 ; R16.1@1663,497 R16.1@1663,505.09 ; R17.1@1669.93,373.16 1667,376.09 1667,448.23 1670.93,452.16 1670.93,497.16 R16.1@1663,505.09
  Bottom Layer w20: C19.2@1666.05,447.28 C19.2@1670.93,452.16
NetC20_1: C20.1 U8.6 | length 144.7
  Top Layer w10: C20.1@1608.93,332.16 1616.93,332.16 1648.93,364.16 1694.93,364.16 1700.75,358.34 U8.6@1700.75,321.16
NetL1_1: L1.1 U1.2 | length 87.9
  Top Layer w10: U1.2@114.4,571.16 128.84,571.16
  Top Layer w15: 128.84,571.16 L1.1@202.28,571.16
NetL2_1: L2.1 U2.2 | length 85.3
  Top Layer w10: U2.2@114.4,375.16 126.84,375.16
  Top Layer w15: 126.84,375.16 L2.1@199.72,375.16
NetL3_1: L3.1 U3.2 | length 87.3
  Top Layer w10: U3.2@114.4,180.16 128.84,180.16
  Top Layer w15: 128.84,180.16 129.16,180.16 L3.1@180.44,128.88
NetLED1_A: LED1.A R22.1 | length 293.6
  Top Layer w10: R22.1@1644,717 1644,761.5 LED1.A@1665.5,783 ; 1651.12,758.27 ccw(c1643.47,765.68) LED1.A@1651.13,773.09 ; LED1.A@1655.07,762.35 cw(c1666.06,751.7) LED1.A@1665.82,767 ; R22.1@1639,730.66 ccw(c1623.3,757.86) 1653.63,749.73 ; R22.1@1639,730.66 ccw(c1623.3,757.86) 1653.63,749.73 ; R22.1@1639,730.66 ccw(c1623.3,757.86) 1653.63,749.73 ; 1649.42,751.64 ccw(c1680.78,743.23) R22.1@1652.66,727 ; 1649.42,751.64 ccw(c1680.78,743.23) R22.1@1652.66,727 ; 1649.42,751.64 ccw(c1680.78,743.23) R22.1@1652.66,727 ; 1650.97,739.8 ccw(c1667.27,735.44) R22.1@1652.66,727 ; 1650.97,739.8 ccw(c1667.27,735.44) R22.1@1652.66,727 ; 1650.97,739.8 ccw(c1667.27,735.44) R22.1@1652.66,727
NetLED1_K: LED1.K Q1.3 | length 231.3
  Top Layer w10: Q1.3@1427.66,746 1553.5,746 LED1.K@1590.5,783 ; LED1.K@1570.6,763.1 ccw(c1546.7,787) 1580.5,787 cw(c1546.7,787) LED1.K@1570.6,763.1
NetP3_1: P3.1 RA1.5 | length 788.5
  Bottom Layer w10: P3.1@346.64,146.1 cw(c384.3,138.39) 374.35,175.52 ; P3.1@352,145 425,218 ; P3.1@353.1,139.64 ccw(c345.39,177.3) 382.52,167.35 ; 425,224 425,697.76 430.62,703.38 430.62,765.2 RA1.5@429.51,766.31 ; P3.1@366.53,145 cw(c401.6,145) 376.8,169.8 ccw(c401.6,145) P3.1@366.53,145
NetP3_2: P3.2 RA1.6 | length 630.1
  Bottom Layer w10: P3.2@346.64,246.1 cw(c384.3,238.39) 374.35,275.52 ; P3.2@352,245 409,302 409,766.16 RA1.6@408.84,766.31 ; P3.2@353.1,239.64 ccw(c345.39,277.3) 382.52,267.35
NetP3_3: P3.3 RA1.7 | length 438.6
  Bottom Layer w10: P3.3@352,345 393,386 393,680 389,684 RA1.7@389,765
NetP3_4: P3.4 RA1.8 | length 362.1
  Bottom Layer w10: P3.4@352,445 311,486 311,668 368.49,725.49 RA1.8@368.49,766.31
NetR11_1: R11.1 R12.2 U7.10 | length 64.5
  Top Layer w10: v1(1607,542) 1616.1,532.9 U7.10@1616.1,519.37
  Bottom Layer w10: R12.2@1604.34,535.34 R12.2@1611,528.69
  Bottom Layer w15: R11.1@1575.32,528.69 R12.2@1604,528.69
NetR13_1: R13.1 R15.2 U7.6 | length 116.8
  Top Layer w10: R15.2@1545.32,378.69 1554.68,378.69 1616.1,440.1 U7.6@1616.1,440.63
  Bottom Layer w10: v1@1545.32,378.69 R13.1@1565.32,378.69
  other v1: 1550,377
NetR15_1: R15.1 U7.7 | length 109.3
  Top Layer w10: R15.1@1614.32,381.69 1641.2,408.57 1641.2,450.8 1631.68,460.31 U7.7@1616.1,460.31
NetR19_1: R19.1 R20.1 R21.2 U5.3 | length 121.1
  Top Layer w10: U5.3@1534.91,199.6 1556.56,199.6 v1(1559.16,197)
  Bottom Layer w10: 1552.91,281 1552.91,193.24 1553.16,193 1557.16,197 v1(1559.16,197)
PROG_B: R23.1 U4.1 | length 105.1
  Top Layer w10: R23.1@530,136 531,135 583,135 599.78,151.78 U4.1@599.78,179.76
SHDN: P2.3 R18.1 R25.1 U1.5 U2.5 U3.5 U7.8 U7.9 | length 2920.1
  Top Layer w7: 1613,566 1638.73,540.27 1638.73,537.79 1640,536.52 1640,495
  Top Layer w8: v1(21,430) 36.47,414.53 U2.5@39.6,414.53 ; v1(22,234) 25.13,234 U3.5@39.6,219.53 ; v1(23,625) 25.13,625 U1.5@39.6,610.53 ; v1(1584,566) 1613,566 ; U7.8@1616.1,480 U7.9@1616.1,499.69 ; U7.9@1616.42,496.37 1616.42,490 1635,490 1640,495
  Bottom Layer w8: v1(21,430) 52,430 ; v1(22,234) 67,279 67,339 54,352 54,432 67,445 67,537 54,550 54,594 v1(23,625) 23,792 44,813 126,813 170,857 R18.1@193,857 276,857 276,935 P2.3@278,937 ; 266.55,875.73 ccw(c277.48,869.42) R25.1@269.82,859.38 ; 269.99,875.6 ccw(c279.47,867.44) R25.1@270.22,859.02 ; 271.1,883.61 ccw(c283.05,876.71) R25.1@274.67,865.74 ; 277,889 412.68,889 412.82,889.13 518.17,889.13 518.3,889 620,889 625,894 687,894 703,878 1078.2,878 1139.2,817 1469,817 1582,704 v1@1582,563 ; R25.1@261.8,866.09 ccw(c236.57,903.1) 280.59,894.77 ; R25.1@261.8,866.09 ccw(c236.57,903.1) 280.59,894.77 ; R25.1@261.8,866.09 ccw(c236.57,903.1) 280.59,894.77
SPI_CLK: U4.50 U9.6 U11.20 | length 625.3
  Top Layer w8: v1(941.58,717.86) 942.14,717.86 971,689 1023,689 1041,671 v1(1044,671) ; U4.50@1133.24,713.22 1176.22,713.22 v1(1186,723)
  Bottom Layer w8: U9.6@746.25,756 902,756 938,720 941.58,723.58 v1(941.58,717.86) ; v1(1044,671) 1050,671 1051,672 1063.98,659.02 U11.20@1063.98,619.44 ; 1063.98,661 1103,661 1132,690 1171,690 1184,703 1184,721 v1(1186,723)
  Bottom Layer w10: U11.20@1064,623.42 U11.20@1067.98,619.44
SPI_MISO: U4.44 U9.2 U11.18 | length 420.5
  Top Layer w8: v1(1001,669) 1074.89,595.11 U4.44@1133.24,595.11
  Bottom Layer w7: 965,701 965,711.81 962.08,714.74 962.08,773.08 994,805
  Bottom Layer w8: 965,701 v1@999,667 ; 994,805 U9.2@1034.75,805 ; U11.18@998.98,619.44 1001,621.46 v1(1001,669)
SPI_MOSI: U4.27 U9.5 U11.32 | length 933
  Top Layer w8: v1(747,682) 1021,408 1021,384 1021,311 1071.54,260.46 U4.27@1133.24,260.46 U4.27@1132.78,260
  Bottom Layer w8: U9.5@746.25,706 746.25,682.75 v1(747,682) ; v1@1021,384 1028,377 1028,304 1071.54,260.46 1105.54,260.46 1156.46,209.54 U11.32@1156.46,174.56
  Bottom Layer w10: U9.5@750.25,702 U9.5@753.25,705 ; U11.32@1162,175.02 U11.32@1162.46,174.56
  other v1: 1021,388
SW1: L4.2 U7.2 | length 53.1
  Top Layer w10: L4.2@1452.4,496.37 1456.03,500 1503.58,500 U7.2@1503.9,499.69
SW2: C17.2 L5.2 U7.4 | length 170.1
  Top Layer w10: L5.2@1452.4,390.69 1452.4,457 1455.72,460.31 U7.4@1503.9,460.31
  Top Layer w15: L5.2@1452.4,336.69 C17.2@1503.32,336.69
VCOM: J1.22 U5.1 U5.4 | length 541.1
  Top Layer w8: v1(1774,383) 1774,490 1788.62,504.62 J1.22@1810.88,504.62
  Top Layer w10: U5.1@1534.91,274.4 1554.6,274.4 U5.4@1629.4,199.6 1667.6,199.6 v1(1676,208)
  Bottom Layer w8: v1(1676,208) 1755,287 1755,364 v1(1774,383)
VIN: C1.2 C2.1 C6.2 C11.2 P2.1 P4.1 R18.2 U1.6 U1.7 U1.8 U2.6 U2.7 U2.8 U3.6 U3.7 U3.8 | length 1132.1
  Top Layer w10: v1@18,560 v1@19,561 ; v1@20,365 v1(21,365) v1(21,388) ; v1(21,169) 22,170 v1@22,191 ; v1(21,311) v1(21,338) ; v1@21,346 22,345 v1@22,344 ; v1(21,509) C1.2@47,509 ; v1(21,561) v1(21,583) ; v1@37,120 v1(43,120) C11.2@53,120
  Top Layer w30: P2.1@66,937 93,937 147,883 C2.1@147,801.16
  Top Layer w40: P4.1@68,769 77.11,772.4 144.13,797.39 C2.1@145.88,798.04 ; C2.1@143.88,798.04 C2.1@167.91,807
  power w10: v1@18,560 18,561 19,562 v1@19,534 ; v1@20,365 20,346 21,346 22,345 v1@22,344 ; v1(21,311) 34,324 ; v1@22,120 v1@37,120 ; 47,509 48,509 ; 135,787 v1(148,787)
  GND w10: v1(21,191) v1(21,169) v1(21,143) v1(21,120) v1(43,120) ; v1(21,311) v1(21,338) ; v1(21,388) v1(21,365) v1(21,338) ; v1(21,509) v1(21,533) ; v1(21,583) v1(21,561) v1(21,533) ; v1(44,329) 30,329 v1(21,338) ; v1(46,524) 30,524 v1(21,533)
  Bottom Layer w10: v1(21,311) v1@21,329 ; v1(21,365) v1(21,338) v1@21,329 ; v1(21,509) v1@21,524 ; v1(21,561) v1(21,533) v1@21,524 ; v1@22,191 22,120 v1(43,120) ; v1(44,329) v1@21,329 ; v1(46,524) v1@21,524 ; v1(148,787) 163,802 R18.2@193,802
pads on no net: C2.0 C4.0 C7.0 C12.0 J1.9 J1.10 J1.20 J1.21 J1.26 J1.39 J1.40 J1.41 LED1.0 RA1.0 RA2.0 RA2.6 RA3.0 RA3.8 U6.3 U6.7 U8.3 U8.7 U11.40

## Polygon pours and split planes (outlines as drawn)
3.3V on power "Bottom Layer-No Net" (solid, remove dead copper, pour order 45): 162,961 1933,961 1933,21 633,21 633,147 727,147 773,193 773,240 799,265 1102,265 1102,345 806.62,518.53 1049,518 1087,518 1177,429 1177,197 989,197 967,176 967,116 1070,115 1132,167 1241,167.02 1311.98,204.8 1311,569 1259,588.79 1259,619 1294,635 1311,660 1311,732 1212,773 620,773 620,723 521,723 520,601 514.28,585.75 162,584
1.2V on power "Bottom Layer-No Net" (solid, remove dead copper, pour order 47): 620,775 620,655 633.69,645 649.31,642.26 724,641 816.76,655.86 1027,656 1105,656 1161,711 1161,748.5 1159,774 826,774
2.5V on power "Bottom Layer-No Net" (solid, remove dead copper, pour order 37): 218,544 218,497 286,497 289,497 289,544
1.2V on power "Bottom Layer-No Net" (solid, remove dead copper, pour order 35): 150,316 150,252 233,252 233,316 150,316
3.3V on power "Bottom Layer-No Net" (solid, remove dead copper, pour order 33): 310,763 310,704 149,704 149,763 309,763
VIN on power "Bottom Layer-No Net" (solid, remove dead copper, pour order 29): 43,961 162,961 162,833.93 162,707 43,707
VIN on power "Bottom Layer-No Net" (solid, pour order 21): 15,960 131,960 131,101.49 131,99 15,99
1.2V on power "Bottom Layer-No Net" (solid, remove dead copper, pour order 36): 77,320 76.03,21 623,21 623,147 727,147 773,193 773,240 799,265 1102,266 1102,345 806,519 598,519 598.02,480.96 629,419 629,300 540,300 540,320
2.5V on power "Bottom Layer-No Net" (solid, remove dead copper, pour order 23): 509,586 520,601 521,723 620,723 620,656 652,641 718,641 818,656 908,656 1026.28,655.99 1105,656 1161,711 1161,762 1311,762 1311,660 1294,635 1259,619 1259,582 1311,569 1312,198 1241,167 1132,167 1076,116 967,116 967,170 994,196 1038.82,197 1063,220 1177,220 1177,429 1091,522 596,522 597,483 629,419 629,293 515,293 515,322 149,323 150,586
1.2V on Top Layer "Bottom Layer-No Net" (solid, remove dead copper, pour order 49): 579,664 601,664 629,692 629,711 654,711 700,665 700,613 677,590 682,585 682,553 705,553 715,543 715,469 704.29,458.29 616.36,458.29 616.36,459.64 589,487 589,555.74 625.74,555.74 639,569 639,617 627,628 579,628
GND on Top Layer "Bottom Layer-No Net" (solid, remove dead copper, pour order 40): 12,965 12,18 1938,18 1938,965
3.3V on Top Layer "Bottom Layer-No Net" (solid, remove dead copper, pour order 30): 140,772 317,772 317,678 140,678
2.5V on Top Layer "Bottom Layer-No Net" (solid, remove dead copper, pour order 26): 206,544 291,544 291,453 291,450 206,450
VIN on Top Layer "Bottom Layer-No Net" (solid, remove dead copper, pour order 22): 12,199.84 12,99 58,99 58,199.84 12,199.84
VIN on Top Layer "Bottom Layer-No Net" (solid, remove dead copper, pour order 25): 12,394.84 55,394.84 55,350.06 71,350.06 71,305.28 71,302 12,302
VIN on Top Layer "Bottom Layer-No Net" (solid, remove dead copper, pour order 28): 12,590.84 55,590.84 55,556.15 55,551.05 69,551.05 69,500.04 69,498 12,498
1.2V on Top Layer "Bottom Layer-No Net" (solid, remove dead copper, pour order 32): 176,317.5 176,252.5 230,252.5 271,252.5 271,317.5
GND on Bottom Layer "Bottom Layer-No Net" (solid, remove dead copper, pour order 39): 12,962 1938,962 1938,16 12,16
3.3V on Bottom Layer "Bottom Layer-No Net" (solid, remove dead copper, pour order 31): 140,770 140,693 317,693 317,770 140,770
2.5V on Bottom Layer "Bottom Layer-No Net" (solid, remove dead copper, pour order 27): 206,544 291,544 291,472 291,471 206,471
1.2V on Bottom Layer "Bottom Layer-No Net" (solid, remove dead copper, pour order 24): 168.5,319 277.5,319 277.5,264 277.5,254 168.5,254
GND on GND "Bottom Layer-No Net" (solid, remove dead copper, pour order 38): 16,21 16,961 1933,961 1933,21

## Silkscreen, mask and mechanical layers (free items; w line width, h text height)
Top Overlay:
  drawing of 186 lines, arcs and shapes, not listed
  text "/EN" at 243,884 h30 r90
  text "3V3" at 144,882 h30 r90
  text "IO21" at 1443,869 h30 r90
  text "IO30" at 542,859 h30 r90
  text "IO27" at 844,859 h30 r90
  text "2V5" at 421,509 h28 r90
  text "TMS" at 424,403 h32 r90
  text "TCK" at 424.43,303.45 h32 r90
  text "TDO" at 424.22,199.73 h32 r90
  text "TDI" at 424,103 h32 r90
  text "WireFRAME" at 1286,94 h32
  text "2V5" at 142,17 h25 r90
  text "1V2" at 239,16 h25 r90
  text "1V2" at 239,16 h25 r90
  text "IO1" at 345,16 h30 r90
  text "IO8" at 1044,16 h30 r90
  text "IO5" at 744,15 h30 r90
  text "IO5" at 744,15 h30 r90
  text "IO14" at 1643,15 h30 r90
Bottom Overlay:
  drawing of 176 lines, arcs and shapes, not listed
  text "/EN" at 212,884 h30 r270
  text "3V3" at 114,882 h30 r270
  text "6V Max" at 29,434 h32 r270
  text "WireFRAME" at 1925,202 h32
  text "V1.0 1214" at 1925,150 h30
  text "www.CircuitValley.com" at 1925,98 h40
  text "2V5" at 117,19 h25 r270
  text "1V2" at 214,16 h25 r270
Mechanical 27:
  the board outline again, w3.94